# Allegro board SG2042_EVB_V2_0.brd (continued)
## Placement (name value [footprint] x y rotation side) (continued)
C5987  47uF_6.3V  [C0603]  166.42 69.67 270 top
C5988  47uF_6.3V  [C0603]  165.23 69.67 270 top
C5989  47uF_6.3V  [C0603]  164.03 69.67 270 top
C5990  47uF_6.3V  [C0603]  166.42 74.7 90 top
C5991  47uF_6.3V  [C0603]  165.23 74.7 90 top
C5992  100nF_25V  [C0402]  179.58 68.68 180 top
C5993  1uF_16V  [C0402]  177.98 75.03 0 top
C5996  1uF_16V  [C0402]  213.08 74.12 90 top
C5997  22uF_25V  [C0805]  208.66 73.86 90 top
C5998  100nF_25V  [C0402]  209.98 73.71 90 top
C5999  12pF 50V  [C0402]  211.05 76.71 270 top
C6000  47uF_6.3V  [C0603]  209.58 67.87 0 top
C6001  47uF_6.3V  [C0603]  209.58 66.67 0 top
C6002  100nF_25V  [C0402]  112.6 70.23 270 top
C6003  100nF_16V  [C0402]  28.3 193.37 0 bottom
C6004  100nF_16V  [C0402]  28.3 192.51 0 bottom
C6005  100nF_16V  [C0402]  21.49 193.37 0 top
C6006  100nF_16V  [C0402]  21.49 192.51 0 top
C6007  100nF_16V  [C0402]  28.3 211.28 0 bottom
C6008  100nF_16V  [C0402]  28.3 210.41 0 bottom
C6009  100nF_16V  [C0402]  21.49 211.28 0 top
C6010  100nF_16V  [C0402]  21.49 210.41 0 top
C6011  1nF_50V  [C0402]  228.37 95.12 90 top
C6012  100uF_16V  [C7343]  221.77 94.11 90 top
C6013  10uF_25V  [C0603]  226.64 90.96 0 top
C6014  100nF_25V  [C0402]  226.01 97.49 90 top
C6015  100nF_25V  [C0402]  38.13 139.17 180 top
C6016  100uF 16V  [C7343]  36.47 132.97 270 top
C6017  100nF_25V  [C0402]  38.13 140.03 180 top
C6018  100nF_25V  [C0402]  219.05 294.26 270 top
C6019  100uF 16V  [C7343]  213.74 292.94 270 top
C6020  100nF_25V  [C0402]  218.19 294.26 270 top
C6021  100nF_25V  [C0402]  212.93 13.92 90 top
C6022  100uF 16V  [C7343]  217.37 15.29 90 top
C6023  100nF_25V  [C0402]  212.06 13.92 90 top
C6024  100nF_25V  [C0402]  191.13 13.92 90 top
C6025  100uF 16V  [C7343]  195.58 15.29 90 top
C6026  100nF_25V  [C0402]  190.27 13.92 90 top
C6039  100nF_16V  [C0402]  29.03 203.28 0 top
C6040  100nF_16V  [C0402]  29.03 207.57 0 top
C6041  100nF_16V  [C0402]  28.6 201.8 90 top
C6042  100nF_16V  [C0402]  19.76 201.32 270 top
C6043  22uF_10V  [C0603]  22 201.12 270 top
C6044  22uF_10V  [C0603]  20.8 201.12 270 top
C6045  100nF_16V  [C0402]  28.6 206.1 90 top
C6046  22uF_10V  [C0603]  22 205.41 270 top
C6047  22uF_10V  [C0603]  20.8 205.41 270 top
C6048  100nF_16V  [C0402]  19.76 205.61 270 top
C6054  100nF_16V  [C0402]  224.66 165.51 0 bottom
C6055  100nF_16V  [C0402]  217.4 158.98 180 bottom
C6056  10nF 50V  [C0402]  218.62 165.89 270 bottom
C6057  10nF 50V  [C0402]  222.22 165.89 270 bottom
C6058  10nF 50V  [C0402]  224.66 164.64 180 bottom
C6059  10nF 50V  [C0402]  224.66 161.06 180 bottom
C6060  10nF 50V  [C0402]  222.45 158.62 90 bottom
C6061  10nF 50V  [C0402]  217.4 159.84 0 bottom
C6062  1uF_25V  [C0402]  215.44 159.74 90 top
C6063  10uF_6.3V  [C0402]  217.4 163.45 0 bottom
C6064  100nF_16V  [C0402]  220.42 165.89 90 bottom
C6065  100nF_16V  [C0402]  224.66 162.86 0 bottom
C6066  100nF_16V  [C0402]  217.4 161.65 180 bottom
C6067  100nF_16V  [C0402]  224.66 158.24 0 bottom
C6068  10nF 50V  [C0402]  219.56 165.89 270 bottom
C6069  10nF 50V  [C0402]  221.28 165.89 270 bottom
C6070  10nF 50V  [C0402]  223.39 165.89 270 bottom
C6071  10nF 50V  [C0402]  224.66 163.73 180 bottom
C6072  10nF 50V  [C0402]  224.66 162 180 bottom
C6073  10nF 50V  [C0402]  224.66 159.87 180 bottom
C6074  10nF 50V  [C0402]  221.59 158.62 90 bottom
C6075  10nF 50V  [C0402]  217.4 162.51 0 bottom
C6077  220nF_6.3V  [C0201]  214.3 163.47 180 top
C6079  220nF_6.3V  [C0201]  214.3 162.86 180 top
C6083  10nF 50V  [C0402]  217.4 160.78 0 bottom
C6088  100nF_16V  [C0402]  224.26 152.32 0 top
C6090  100nF_16V  [C0402]  232 154.71 0 top
C6091  100nF_16V  [C0402]  232 155.57 0 top
C6092  100nF_16V  [C0402]  232 160.71 180 top
C6093  100nF_16V  [C0402]  232 161.57 180 top
C6094  12pF_50V  [C0402]  224.89 154.56 270 top
C6095  12pF_50V  [C0402]  224.89 156.29 270 top
C6096  100nF_16V  [C0402]  232 156.95 180 top
C6097  100nF_16V  [C0402]  232 157.81 180 top
C6098  100nF_16V  [C0402]  232 162.94 180 top
C6099  100nF_16V  [C0402]  232 163.8 180 top
C6100  100nF_16V  [C0402]  229.03 142.93 270 top
C6101  100nF_16V  [C0402]  227.56 143.36 0 top
C6102  22uF_10V  [C0603]  226.87 149.96 180 top
C6103  22uF_10V  [C0603]  226.87 151.16 180 top
C6104  100nF_16V  [C0402]  227.08 152.2 180 top
C6105  100nF_16V  [C0402]  194.26 174.04 180 top
C6106  470uF_2.5V  [C7343]  194.01 198.83 270 bottom
C6107  470uF_2.5V  [C7343]  188.98 198.83 270 bottom
C6108  47uF 6.3V  [C0603]  194.03 204.01 180 top
C6109  1nF_50V_NC  [C0402]  197.54 177.9 90 top
C6110  100nF_16V  [C0402]  190.6 183.46 180 top
C6111  22uF/16V  [C0805]  190.47 182.14 180 top
C6112  22uF/16V  [C0805]  190.47 180.39 180 top
C6113  47uF 4V  [C0805]  193.83 163.86 180 top
C6114  47uF 4V  [C0805]  193.83 162.1 180 top
C6115  47uF 4V  [C0805]  193.83 160.35 180 top
C6116  47uF 4V  [C0805]  193.83 158.6 180 top
C6117  1uF_16V  [C0402]  188.67 175.03 180 top
C6118  22nF 16V  [C0402]  195.81 177.06 90 top
C6119  100nF_16V  [C0402]  197.1 180.87 0 top
C6120  22nF 16V  [C0402]  197.1 176.63 180 top
C6121  470uF_2.5V  [C7343]  39.47 198.83 270 bottom
C6122  470uF_2.5V  [C7343]  44.5 198.83 270 bottom
C6123  47uF 6.3V  [C0603]  39.45 204.01 0 top
C6124  100nF_25V  [C0402]  195.81 193.75 270 top
C6125  22uF_25V  [C0805]  191.69 185.75 0 top
C6126  22uF_25V  [C0805]  191.69 187.5 0 top
C6127  22uF_25V  [C0805]  191.69 185.75 0 bottom
C6128  22uF_25V  [C0805]  191.69 187.5 0 bottom
C6129  100nF_25V  [C0402]  197.1 189.94 0 top
C6130  4.7uF_6.3V  [C0402]  193.83 205.05 180 top
C6131  4.7uF_6.3V  [C0402]  195.81 192.05 90 top
C6132  4.7uF_6.3V  [C0402]  187.63 193.37 270 top
C6133  22uF_25V  [C0805]  42.19 185.75 0 top
C6134  22uF_25V  [C0805]  42.19 187.5 0 top
C6135  100nF_25V  [C0402]  46.3 193.75 270 top
C6136  22uF_25V  [C0805]  42.19 185.75 0 bottom
C6137  22uF_25V  [C0805]  42.19 187.5 0 bottom
C6138  100nF_25V  [C0402]  47.6 189.94 0 top
C6139  100nF_16V  [C0402]  45.97 174.04 180 top
C6140  4.7uF_6.3V  [C0402]  39.65 205.05 0 top
C6141  4.7uF_6.3V  [C0402]  46.3 192.05 90 top
C6142  4.7uF_6.3V  [C0402]  38.13 193.37 270 top
C6143  22uF/16V  [C0805]  42.19 182.14 180 top
C6144  22uF/16V  [C0805]  42.19 180.39 180 top
C6145  47uF 4V  [C0805]  40.59 163.86 0 top
C6146  47uF 4V  [C0805]  40.59 162.1 0 top
C6147  47uF 4V  [C0805]  40.59 160.35 0 top
C6148  1uF_16V  [C0402]  40.39 175.03 180 top
C6149  1nF_50V_NC  [C0402]  49.25 177.9 90 top
C6150  100nF_16V  [C0402]  42.32 183.46 180 top
C6151  47uF 4V  [C0805]  40.59 158.6 0 top
C6152  22nF 16V  [C0402]  47.52 177.06 90 top
C6153  100nF_16V  [C0402]  48.82 180.87 0 top
C6154  22nF 16V  [C0402]  48.82 176.63 180 top
C6155  100nF_25V  [C0402]  217.4 197.71 270 top
C6156  22uF_25V  [C0805]  213.16 207.54 180 top
C6157  22uF_25V  [C0805]  213.16 205.79 180 top
C6158  22uF_25V  [C0805]  213.16 204.04 180 top
C6159  100nF_25V  [C0402]  213.31 208.86 180 top
C6160  220pF 50V  [C0402]  219.13 201.09 90 top
C6161  47uF_6.3V  [C0603]  211.38 187.12 180 top
C6162  47uF_6.3V  [C0603]  211.38 185.93 180 top
C6163  47uF_6.3V  [C0603]  216.41 187.12 0 top
C6164  47uF_6.3V  [C0603]  216.41 185.93 0 top
C6165  47uF_6.3V  [C0603]  216.41 184.73 0 top
C6166  100nF_25V  [C0402]  217.4 200.28 270 top
C6167  1uF_16V  [C0402]  211.05 198.68 90 top
C6168  12pF_50V  [C0402]  197.87 88.67 90 top
C6169  12pF_50V  [C0402]  197.87 86.94 90 top
C6170  1uF_6.3V  [C0402]  179.27 102.21 180 bottom
C6171  100nF_6.3V  [C0402]  180.97 102.67 270 bottom
C6172  1uF_6.3V  [C0402]  181.76 104.83 270 bottom
C6173  100nF_6.3V  [C0402]  180.9 104.83 270 bottom
C6174  1uF_6.3V  [C0402]  180.97 100.71 270 bottom
C6175  100nF_6.3V  [C0402]  180.11 100.71 270 bottom
C6176  1uF_6.3V  [C0402]  182.3 103.43 180 bottom
C6177  100nF_6.3V  [C0402]  182.3 102.23 180 bottom
C6178  100nF_6.3V  [C0402]  196.49 104.65 270 bottom
C6179  100nF_6.3V  [C0402]  193.65 109.22 90 bottom
C6180  100nF_6.3V  [C0402]  179.1 92.25 0 bottom
C6181  100nF_6.3V  [C0402]  180.7 93.04 0 bottom
C6182  100nF_6.3V  [C0402]  184.86 102.9 180 bottom
C6183  100nF_6.3V  [C0402]  184.86 102.03 180 bottom
C6184  100nF_6.3V  [C0402]  177.57 103.66 180 bottom
C6185  100nF_6.3V  [C0402]  191.47 96.04 270 bottom
C6186  100nF_6.3V  [C0402]  186.28 96.67 180 bottom
C6187  100nF_6.3V  [C0402]  189.08 96.04 270 bottom
C6188  100nF_6.3V  [C0402]  189.87 105.46 90 bottom
C6189  100nF_6.3V  [C0402]  177.57 102.79 180 bottom
C6190  100nF_25V  [C0402]  202.56 101.65 0 top
C6191  100nF_25V  [C0402]  202.56 96.42 180 top
C6192  1nF_50V  [C0402]  176.3 107.24 180 top
C6193  100nF_6.3V  [C0402]  192.2 99.44 90 bottom
C6194  100nF_6.3V  [C0402]  192.2 97.74 270 bottom
C6195  100nF_6.3V  [C0402]  191.49 105.46 90 bottom
C6196  100nF_6.3V  [C0402]  192.61 104.19 0 bottom
C6197  100nF_6.3V  [C0402]  188.06 98.04 180 bottom
C6198  100nF_6.3V  [C0402]  188.29 104.04 90 bottom
C6199  100nF_6.3V  [C0402]  188.29 102.03 90 bottom
C6200  100nF_6.3V  [C0402]  190.35 100.43 0 bottom
C6201  100nF_6.3V  [C0402]  189.08 99.31 270 bottom
C6202  220nF_6.3V  [C0201]  163.4 78.36 180 top
C6203  220nF_6.3V  [C0201]  163.4 81.53 180 top
C6204  220nF_6.3V  [C0201]  163.4 78.97 180 top
C6205  220nF_6.3V  [C0201]  163.4 82.14 180 top
C6206  100nF_6.3V  [C0402]  184.48 96.22 90 bottom
C6207  100nF_6.3V  [C0402]  192.28 91.01 0 bottom
C6208  100nF_6.3V  [C0402]  189.08 91.01 180 bottom
C6209  100nF_6.3V  [C0402]  191.47 93.83 0 bottom
C6210  10uF/6.3V  [C0603]  201.68 93.37 270 top
C6211  10uF/6.3V  [C0603]  187.32 100.43 180 bottom
C6212  10uF/6.3V  [C0603]  182.02 100.51 270 bottom
C6213  100nF_6.3V  [C0402]  199.62 81.05 0 top
C6214  10uF/6.3V  [C0603]  192.94 102.87 0 bottom
C6215  1uF_16V  [C0402]  213.79 98.55 0 top
C6216  22uF_25V  [C0805]  213.54 102.97 0 top
C6217  100nF_25V  [C0402]  213.39 101.65 0 top
C6218  12pF 50V  [C0402]  216.38 100.58 180 top
C6219  47uF_6.3V  [C0603]  206.32 102.06 270 top
C6220  47uF_6.3V  [C0603]  207.52 102.06 270 top
C6221  1uF_16V  [C0402]  179.3 82.04 180 top
C6222  22uF_25V  [C0805]  179.55 77.62 180 top
C6223  100nF_25V  [C0402]  179.71 78.94 180 top
C6224  12pF 50V  [C0402]  176.71 80.01 0 top
C6225  47uF_6.3V  [C0603]  185.57 78.54 90 top
C6226  47uF_6.3V  [C0603]  186.77 78.54 90 top
C6227  1uF_16V  [C0402]  169.09 108.92 90 top
C6228  22uF_25V  [C0805]  164.67 108.66 90 top
C6229  100nF_25V  [C0402]  165.99 108.51 90 top
C6230  12pF 50V  [C0402]  167.06 111.51 270 top
C6231  47uF_6.3V  [C0603]  165.58 102.64 0 top
C6232  47uF_6.3V  [C0603]  165.58 101.45 0 top
C6233  10uF/6.3V  [C0402]  198.75 119.61 90 top
C6234  100nF_25V  [C0402]  197.89 119.61 90 top
C6235  100nF_25V  [C0402]  192.91 117.96 270 top
C6236  100nF_16V  [C0402]  32.05 189.46 0 top
C6237  22uF_10V  [C0603]  25.02 187.3 270 top
C6238  22uF_10V  [C0603]  23.83 187.3 270 top
C6239  100nF_16V  [C0402]  22.78 187.5 270 top
C6240  100nF_16V  [C0402]  32.05 180.87 0 top
C6241  22uF_10V  [C0603]  25.02 178.71 270 top
C6242  22uF_10V  [C0603]  23.83 178.71 270 top
C6243  100nF_16V  [C0402]  22.78 178.92 270 top
C6244  100nF_16V  [C0402]  32.05 185.17 0 top
C6245  22uF_10V  [C0603]  25.02 183.01 270 top
C6246  22uF_10V  [C0603]  23.83 183.01 270 top
C6247  100nF_16V  [C0402]  22.78 183.21 270 top
C6248  470pF_50V  [C0402]  24.99 173.94 0 top
C6249  100nF_16V  [C0402]  31.62 187.99 90 top
C6250  100nF_16V  [C0402]  31.62 179.4 90 top
C6251  100nF_16V  [C0402]  31.62 183.69 90 top
C6252  220nF_6.3V  [C0201]  188.65 89.87 270 top
C6253  220nF_6.3V  [C0201]  189.26 89.87 270 top
C6254  220nF_6.3V  [C0201]  191.85 89.87 270 top
C6255  220nF_6.3V  [C0201]  192.46 89.87 270 top
C6256  220nF_6.3V  [C0201]  214.3 161.95 180 top
C6257  220nF_6.3V  [C0201]  214.3 161.34 180 top
C6258  220nF_6.3V  [C0201]  133.45 190.04 270 top
C6259  220nF_6.3V  [C0201]  134.06 190.04 270 top
C6260  220nF_6.3V  [C0201]  132.45 191.13 270 top
C6261  220nF_6.3V  [C0201]  133.06 191.13 270 top
C6262  220nF_6.3V  [C0201]  131.45 190.04 270 top
C6263  220nF_6.3V  [C0201]  132.06 190.04 270 top
C6264  220nF_6.3V  [C0201]  130.45 191.13 270 top
C6265  220nF_6.3V  [C0201]  131.06 191.13 270 top
C6266  220nF_6.3V  [C0201]  129.45 190.04 270 top
C6267  220nF_6.3V  [C0201]  130.06 190.04 270 top
C6268  220nF_6.3V  [C0201]  128.45 191.13 270 top
C6269  220nF_6.3V  [C0201]  129.06 191.13 270 top
C6270  220nF_6.3V  [C0201]  127.45 190.04 270 top
C6271  220nF_6.3V  [C0201]  128.06 190.04 270 top
C6272  220nF_6.3V  [C0201]  126.45 191.13 270 top
C6273  220nF_6.3V  [C0201]  127.06 191.13 270 top
CON1100  DWG-USBAF-005_22P_TH/L/F  [CON-THD22-145X175-USB30-AF-DUAL]  8.63 213.85 270 top
CON1101  DWG-USBAF-005_22P_TH/L/F  [CON-THD22-145X175-USB30-AF-DUAL]  8.63 195.95 270 top
D1  ESD5311Z_NC  [DFN2-0606-003]  16 282.88 90 top
D2  ESD5311Z_NC  [DFN2-0606-003]  16 284 90 top
D3  ESD5311Z_NC  [DFN2-0606-003]  16 285.12 90 top
D4  ESD5311Z_NC  [DFN2-0606-003]  16 278.59 90 top
D5  ESD5311Z_NC  [DFN2-0606-003]  16 277.47 90 top
D6  ESD5311Z_NC  [DFN2-0606-003]  16 286.23 90 top
D7  ESD5311Z_NC  [DFN2-0606-003]  16 279.7 90 top
D8  ESD5311Z_NC  [DFN2-0606-003]  231.83 271.3 90 top
D9  ESD5311Z_NC  [DFN2-0606-003]  231.83 275.67 90 top
D10  ESD5311Z_NC  [DFN2-0606-003]  231.83 264.39 90 top
D11  ESD5311Z_NC  [DFN2-0606-003]  231.83 273.58 90 top
D12  ESD5311Z_NC  [DFN2-0606-003]  231.83 277.75 90 top
D13  ESD5311Z_NC  [DFN2-0606-003]  231.83 266.67 90 top
D520  LED_GREEN  [LED0603]  46.15 300.41 180 top
D521  ESD5311Z_NC  [DFN2-0606-003]  9.14 157.2 90 top
D522  ESD5311Z_NC  [DFN2-0606-003]  9.14 159.79 90 top
D523  ESD5311Z_NC  [DFN2-0606-003]  9.14 158.78 270 top
D533  ESD5311Z_5V  [D0201]  25.45 213.28 90 bottom
D534  ESD5311Z_5V  [D0201]  25.45 214.4 270 bottom
D535  ESD5311Z_5V  [D0201]  25.45 216.28 90 bottom
D536  ESD5311Z_5V  [D0201]  25.45 217.4 270 bottom
D537  ESD5311Z_5V  [D0201]  25.45 210.29 90 bottom
D538  ESD5311Z_5V  [D0201]  25.45 211.4 270 bottom
D539  ESD5311Z_5V  [D0201]  18.64 213.28 90 top
D540  ESD5311Z_5V  [D0201]  18.64 214.4 270 top
D541  ESD5311Z_5V  [D0201]  18.64 216.28 90 top
D542  ESD5311Z_5V  [D0201]  18.64 217.4 270 top
D543  ESD5311Z_5V  [D0201]  18.64 210.29 90 top
D544  ESD5311Z_5V  [D0201]  18.64 211.4 270 top
D557  B0540W  [SOD-123-13]  38.91 141.58 180 top
D558  B0540W  [SOD-123-13]  220.6 293.47 270 top
D559  B0540W  [SOD-123-13]  210.52 14.71 90 top
D560  B0540W  [SOD-123-13]  188.72 14.71 90 top
D567  ESD5311Z_5V  [D0201]  25.45 195.4 90 bottom
D568  ESD5311Z_5V  [D0201]  25.45 196.52 270 bottom
D569  ESD5311Z_5V  [D0201]  25.45 198.4 90 bottom
D570  ESD5311Z_5V  [D0201]  25.45 199.52 270 bottom
D571  ESD5311Z_5V  [D0201]  25.45 192.38 90 bottom
D572  ESD5311Z_5V  [D0201]  25.45 193.5 270 bottom
D573  ESD5311Z_5V  [D0201]  18.64 195.4 90 top
D574  ESD5311Z_5V  [D0201]  18.64 196.52 270 top
D575  ESD5311Z_5V  [D0201]  18.64 198.37 90 top
D576  ESD5311Z_5V  [D0201]  18.64 199.49 270 top
D577  ESD5311Z_5V  [D0201]  18.64 192.38 90 top
D578  ESD5311Z_5V  [D0201]  18.64 193.5 270 top
D579  ESD5311Z_5V  [D0201]  233.15 169.95 270 top
D580  ESD5311Z_5V  [D0201]  233.15 168.83 90 top
D581  ESD5311Z_5V  [D0201]  233.15 163.93 270 top
D582  ESD5311Z_5V  [D0201]  233.15 162.81 90 top
D583  ESD5311Z_5V  [D0201]  233.15 157.94 270 top
D584  ESD5311Z_5V  [D0201]  233.15 156.82 90 top
D585  ESD5311Z_5V  [D0201]  233.15 154.58 90 top
D586  ESD5311Z_5V  [D0201]  233.15 155.7 270 top
D587  ESD5311Z_5V  [D0201]  233.15 160.58 90 top
D588  ESD5311Z_5V  [D0201]  233.15 161.7 270 top
D589  ESD5311Z_5V  [D0201]  233.15 166.6 90 top
D590  ESD5311Z_5V  [D0201]  233.15 167.72 270 top
D597  ESD5311Z_5V  [D0201]  22.68 167.94 90 bottom
D598  ESD5311Z_5V  [D0201]  22.68 169.06 270 bottom
D599  ESD5311Z_5V  [D0201]  22.68 175.77 270 bottom
D600  ESD5311Z_5V  [D0201]  22.68 174.65 90 bottom
D601  ESD5311Z_5V  [D0201]  22.68 170.18 90 bottom
D602  ESD5311Z_5V  [D0201]  22.68 171.3 270 bottom
D603  ESD5311Z_5V  [D0201]  22.68 173.53 270 bottom
D604  ESD5311Z_5V  [D0201]  22.68 172.42 90 bottom
D605  ESD5311Z_5V  [D0201]  23.85 176.89 90 top
D606  ESD5311Z_5V  [D0201]  23.85 171.3 270 top
D607  ESD5311Z_5V  [D0201]  23.85 170.18 90 top
D608  ESD5311Z_5V  [D0201]  23.85 167.94 90 top
D609  ESD5311Z_5V  [D0201]  23.85 169.06 270 top
D610  ESD5311Z_5V  [D0201]  23.85 175.77 270 top
D611  ESD5311Z_5V  [D0201]  23.85 174.65 90 top
DDR_VDDQ_A0  30MIL NC  [TP30]  189.64 203.99 0 top
DDR_VDDQ_A1  30MIL NC  [TP30]  43.84 203.99 0 top
DDR_VPP_A0  30MIL NC  [TP30]  191.26 158.6 0 top
DDR_VPP_A1  30MIL NC  [TP30]  43.15 158.6 0 top
F400  7A/TIME-LAG  [R1206]  41.43 115.7 0 top
F409  7A/TIME-LAG  [R1206]  41.43 74.55 0 top
F410  7A/TIME-LAG  [R1206]  41.43 94.87 0 top
F411  7A/TIME-LAG  [R1206]  41.43 54.23 0 top
F412  7A/TIME-LAG  [R1206]  41.43 33.91 0 top
F415  7A/TIME-LAG  [R1206]  41.88 135.36 180 top
F416  7A/TIME-LAG  [R1206]  213.74 300.3 270 top
F417  7A/TIME-LAG  [R1206]  217.37 7.92 90 top
F418  7A/TIME-LAG  [R1206]  195.58 7.92 90 top
FB1  600R/2A  [FB0603]  215.67 279.76 270 bottom
FB2  600R/2A  [FB0603]  20.04 278.59 270 top
FB3  600R/2A  [FB0603]  34.06 271.53 0 bottom
FB4  600R/2A  [FB0603]  26.24 270.87 270 bottom
FB5  100R/200mA  [FB0402]  130.25 224.05 270 bottom
FB6  100R/200mA  [FB0402]  103.25 224.05 270 bottom
FB7  100R/200mA  [FB0402]  130.25 222.05 270 bottom
FB9  100R/200mA  [FB0402]  103.25 222.05 270 bottom
FB10  100R/200mA  [FB0402]  118.82 169.49 90 top
FB11  100R/200mA  [FB0402]  120.85 169.49 90 top
FB12  600R/2A  [FB0603]  104.44 106.98 0 bottom
FB13  100R/200mA  [FB0402]  130.25 220.05 90 bottom
FB14  100R/200mA  [FB0402]  130.25 218.05 270 bottom
FB15  100R/200mA  [FB0402]  130.25 228.05 90 bottom
FB16  100R/200mA  [FB0402]  130.25 226.05 270 bottom
FB17  100R/200mA  [FB0402]  103.25 220.05 90 bottom
FB18  100R/200mA  [FB0402]  103.25 218.05 270 bottom
FB19  100R/200mA  [FB0402]  103.25 228.05 90 bottom
FB20  100R/200mA  [FB0402]  103.25 226.05 270 bottom
FB1106  100R_3A  [FB0805]  11.33 156.49 180 top
FB1110  100R_3A  [FB0805]  51.08 128.88 0 top
FB2014  600R/2A  [FB0603]  116.74 32.16 270 bottom
FB2015  600R/2A  [FB0603]  115.72 44.96 180 bottom
FB2017  600R/2A  [FB0603]  68.25 153.11 270 top
FB2019  100R_3A  [FB0805]  51.08 88.24 0 top
FB2026  30R_4A  [FB0603]  163.96 74.73 90 top
FB2027  30R_4A  [FB0603]  134.14 82.78 180 bottom
FB2028  30R_4A  [FB0603]  155.45 93.37 0 bottom
FB2029  30R_4A  [FB0603]  158.83 77.8 180 bottom
FB2032  30R_4A  [FB0603]  55.58 110.36 90 top
FB2033  30R_4A  [FB0603]  56.46 68.63 90 top
FB2036  30R_4A  [FB0603]  51.64 47.4 180 top
FB2040  600R_2A  [FB0603]  216.38 67.84 180 top
FB2041  600R_2A  [FB0603]  215.65 70.15 90 top
FB2042  600R_2A  [FB0603]  164.57 50.14 0 top
FB2043  600R_2A  [FB0603]  23.19 154.81 90 bottom
FB2044  600R_2A  [FB0603]  31.34 156.9 90 bottom
FB2045  600R_2A  [FB0603]  32.92 147.78 0 bottom
FB2046  600R/2A  [FB0603]  34.06 272.8 0 bottom
FB2047  600R_2A  [FB0603]  217.2 165.28 90 bottom
FB2048  600R_2A  [FB0603]  225.07 167.36 90 bottom
FB2049  600R_2A  [FB0603]  226.92 158.24 0 bottom
FB2050  30R_4A  [FB0603]  199.67 94.11 0 top
GND0V8  30MIL NC  [TP30]  107.87 163.7 0 top
GND1  30MIL NC  [TP30]  122.81 271.78 0 top
GND2  30MIL NC  [TP30]  192.25 299.82 0 top
GPIO1  -  [TP30]  216.94 71.17 270 top
H1  HOLE  [HOLE157-315]  33.02 298.45 0 top
H2  HOLE  [HOLE157-315]  165.1 298.45 0 top
H3  HOLE  [HOLE157-315]  237.49 298.45 0 top
H4  HOLE  [HOLE157-315]  10.16 140.97 0 top
H5  HOLE  [HOLE157-315]  165.1 140.97 0 top
H6  HOLE  [HOLE157-315]  237.49 140.97 0 top
H7  HOLE  [HOLE157-315]  10.16 95.25 0 top
H8  HOLE  [HOLE157-315]  10.16 16.51 0 top
H9  HOLE  [HOLE157-315]  165.1 16.51 0 top
H10  HOLE  [HOLE157-315]  237.49 16.51 0 top
H1607  HOLE  [HOLE189-315-SMD-H057]  76.75 261.05 0 top
H1608  HOLE  [HOLE189-315-SMD-H057]  156.75 261.05 0 top
H1609  HOLE  [HOLE189-315-SMD-H057]  76.75 181.05 0 top
H1610  HOLE  [HOLE189-315-SMD-H057]  156.75 181.05 0 top
ID1  ID  [ID-BOARD]  5.08 299.72 0 top
ID2  ID  [ID-BOARD]  5.08 5.08 0 top
ID3  ID  [ID-BOARD]  231.14 10.16 0 top
ID4  ID  [ID-BOARD]  5.08 299.72 180 bottom
ID5  ID  [ID-BOARD]  5.08 5.08 180 bottom
ID6  ID  [ID-BOARD]  231.14 10.16 180 bottom
J1  DDR4-288P-DIMM  [CON-THD288-1420X65-H213-DDR4DIMM]  179.41 221.05 270 top
J2  DDR4-288P-DIMM  [CON-THD288-1420X65-H213-DDR4DIMM]  170.01 221.05 270 top
J3  DDR4-288P-DIMM  [CON-THD288-1420X65-H213-DDR4DIMM]  54.09 221.05 270 top
J4  DDR4-288P-DIMM  [CON-THD288-1420X65-H213-DDR4DIMM]  63.49 221.05 270 top
J7  HEADER 12X2  [DIP2X12-2_54]  188.16 258.44 90 top
J8  -  [J-TF-510]  6.55 280.5 270 top
J9  RJ45  [RJ45-NT]  3.9 233.6 270 top
J10  JTAG 2X10_2.54mm  [CON-THD20-10X2-JTAG]  237.57 269.82 270 top
J13  HEADER 12X2  [DIP2X12-2_54]  196.16 258.44 90 top
J14  HEADER 12X2  [DIP2X12-2_54]  229.57 118.75 90 top
J17  HEADER 12X2  [DIP2X12-2_54]  237.57 118.75 90 top
J73  SATA_DOM  [CON-THD9-160X65-SATADOM]  224.49 58.05 0 top
J103  U20401-2  [CON-THD16-90X77-H033-USB]  4.16 159.24 270 top
J201  HEADER_4P_TH/S/M  [HEADER-THD4-254-1X4]  186.92 299.8 270 top
J1104  PCIE_X16_SLOT 0  [CON-SMD164-910X75-PCIEX16]  87.1 122.22 180 top
J2005  HEADER_6P_TH/S/M  [HEADER-THD6-254-1X6]  141.68 37.72 270 top
J2022  HEADER 12X2  [DIP2X12-2_54]  121.82 7.52 0 top
J2030  CON_M2_PCI_EXP  [CON-SMD75-2190X720-M2_KEY-M]  159.24 40.94 90 top
J2033  PCIEX4  [CON-SMD64-390X88-PCIEX4]  62.1 101.9 0 top
J2034  PCIEX4  [CON-SMD64-390X88-PCIEX4]  62.1 61.26 0 top
J2036  PCIEX1  [CON-SMD36-250X88-PCIEX1]  55.1 40.94 0 top
J2038  HF0804E  [CON-THD4-58X102-H116-FAN]  42.62 147.02 180 top
J2039  HF0804E  [CON-THD4-58X102-H116-FAN]  223.27 300.15 180 top
J2040  HF0804E  [CON-THD4-58X102-H116-FAN]  207.85 8.03 0 top
J2041  HF0804E  [CON-THD4-58X102-H116-FAN]  186.06 8.03 0 top
J2045  Header_2X10_Cut  [CON-THD19-227X70-FRONT_USB3_0]  237.82 161.26 270 top
J2046  PCIEX8  [CON-SMD98-100-560X82-PCIE]  70.6 81.58 0 top
J2047  USB2.0*2+HDMI  [CON-THD27-193X205-DUAL_USB2_0-HDMI]  10.25 176.38 270 top
J2048  SATA_DOM  [CON-THD9-160X65-SATADOM]  204.06 58.05 0 top
K2  KEY  [SW4-0606]  224.76 184.28 270 top
L1  2.2uH_2.5A  [PL3030-12]  121.56 162.33 90 top
L5  2.2uH_2.5A  [PL3030-12]  127.76 156.87 90 top
L7  2.2uH_2.5A  [PL3030-12]  221.84 256.9 180 top
L22  330nH_30A/20A  [PL7368-28]  115.32 157.02 90 top
L23  2.2uH_2.5A  [PL3030-12]  212.98 218.54 90 top
L26  2.2uH_2.5A  [PL3030-12]  221.84 263.52 180 top
L27  2.2uH_2.5A  [PL3030-12]  25.91 114.22 0 top
L38  2.2uH_2.5A  [PL3030-12]  127.64 83.95 0 top
L39  SIHC100875-R15K-R29  [PL78X102-H73]  101.4 286.05 270 top
L40  SIHC100875-R15K-R29  [PL78X102-H73]  91.16 286.05 270 top
L41  SIHC100875-R15K-R29  [PL78X102-H73]  111.63 286.05 270 top
L42  SIHC100875-R15K-R29  [PL78X102-H73]  121.87 286.05 270 top
L43  SIHC100875-R15K-R29  [PL78X102-H73]  132.11 286.05 270 top
L44  SIHC100875-R15K-R29  [PL78X102-H73]  142.34 286.05 270 top
L45  SIHC100875-R15K-R29  [PL78X102-H73]  103.99 153.37 90 top
L1007  90R@100MHZ  [CMC4-2012A]  25.73 170.74 0 top
L1008  90R@100MHZ  [CMC4-2012A]  25.73 168.5 0 top
L1011  2.2uH_2.5A  [PL3030-12]  218.41 144.04 180 top
L1012  4.7uH_2A/1.3A_NC  [PL3030-12]  215.9 75.03 270 top
L1017  90R@100MHZ  [CMC4-2012A]  20.52 213.84 0 top
L1018  90R@100MHZ  [CMC4-2012A]  27.33 213.84 0 bottom
L1027  330nH_30A/20A  [PL7368-28]  171.68 72.19 180 top
L1028  2.2uH_2.5A  [PL3030-12]  211.53 70.26 270 top
L1029  90R@100MHZ  [CMC4-2012A]  20.52 195.96 0 top
L1030  90R@100MHZ  [CMC4-2012A]  27.33 195.96 0 bottom
L1031  330nH_30A/20A  [PL7368-28]  191.49 198.75 90 top
L1032  330nH_30A/20A  [PL7368-28]  191.34 169.44 270 top
L1033  330nH_30A/20A  [PL7368-28]  41.99 198.75 90 top
L1034  330nH_30A/20A  [PL7368-28]  43.05 169.44 270 top
L1035  330nH_30A/20A  [PL7368-28]  213.89 192.38 270 top
L1036  2.2uH_2.5A  [PL3030-12]  209.93 100.1 180 top
L1037  2.2uH_2.5A  [PL3030-12]  183.16 80.49 0 top
L1038  2.2uH_2.5A  [PL3030-12]  167.54 105.05 270 top
LED1  LED_Green  [LED0603]  227.2 233.1 90 top
LED500  LED_Green  [LED0603]  127.08 51.28 90 top
LED501  LED_Green  [LED0603]  220.01 81.05 270 top
LED502  LED_Green  [LED0603]  164.34 27.48 180 top
MEC1  MEC_STANDOFF  [HOLE189-256-SMD]  199.49 40.94 180 bottom
MEC2402  MEC_STANDOFF  [HOLE189-256-SMD]  217.49 40.94 180 bottom
MEC2403  MEC_STANDOFF  [HOLE189-256-SMD]  237.49 40.94 180 bottom